# Altium PCB radxa_cm5_io_board_v2200.PcbDoc (part 3 of 8)
Units mil, origin at the board's own origin, x right, y up, seen from the top; angles counter-clockwise.
Board outline 6299.61 x 3544.09 mil, 4 copper layers (Top, GND, Power, Bottom), stack 35.4 mil thick; 482 components, 404 nets, 1857 pads, 2731 vias.
Unrouted connection lines stored in the file: 1872.
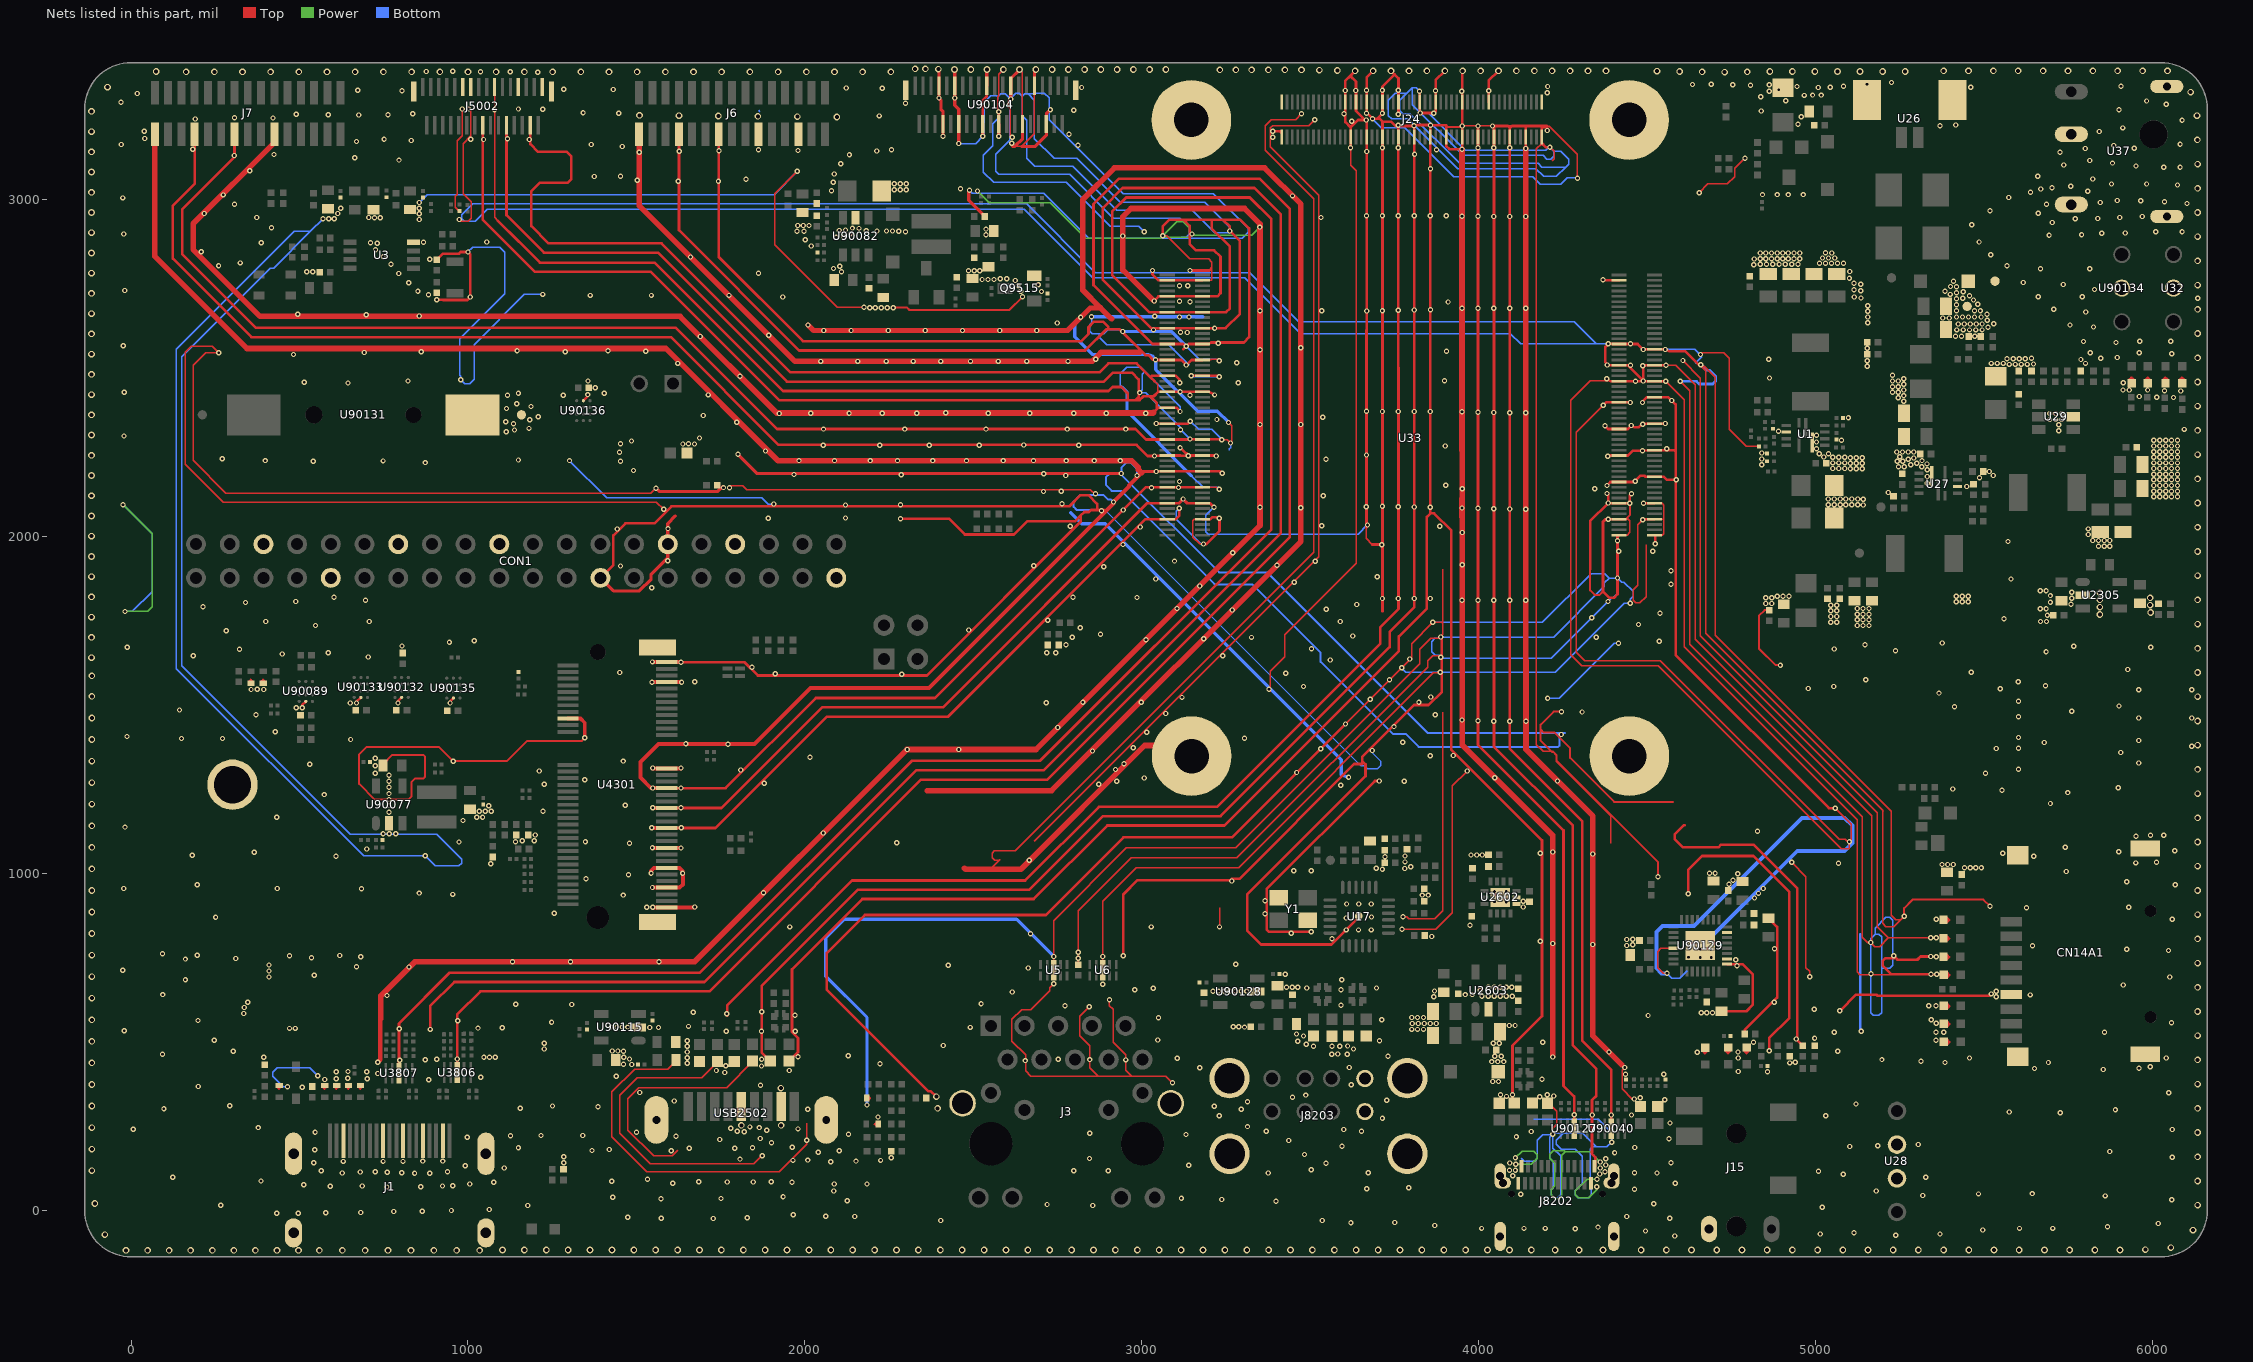
[diagram p4: the nets of this part, all layers, seen from the top]

## Via types
v1: diameter 15.75, hole 7.87, Top to Bottom, 2292 vias
v2: diameter 19.68, hole 11.81, Top to Bottom, 439 vias

## Nets (pads, with @x,y where several pads share a name; then routed paths per layer and width w, separated by ;. In a path a pad name is that pad's centre, name@x,y a point inside that pad or via, vN(x,y) a via of type N, cw(c..) or ccw(c..) an arc to the next point about the centre after c; other vN are vias at no path point) (continued)
GND: C1.2 C3.1 C4.2 C5.2 C34.2 C83.1 C84.2 C85.2 C87.2 C88.2 C89.2 C126.1 C127.1 C130.2 C131.2 C132.2 C133.2 C134.2 C135.2 C136.2 C137.2 C138.2 C139.2 C140.2 C141.2 C142.2 C143.2 C144.2 C146.2 C147.2 C149.2 C150.2 C151.1 C152.2 C153.2 C154.2 C155.2 C156.2 C265.2 C267.2 C268.2 C269.2 C548.2 C549.2 C558.2 C559.2 C561.2 C562.2 C563.2 C564.2 C565.2 C569.2 C570.2 C571.2 C572.2 C573.2 C574.2 C658.2 C750.1 C812.2 C813.2 C2282.2 C2283.2 C2284.2 C2330.2 C2332.2 C2335.2 C2606.2 C2607.2 C2608.2 C2609.2 C2611.2 C2612.2 C2613.2 C2614.2 C7320.2 C7322.2 C90084.2 C90399.2 C90408.2 C90409.2 C90410.2 C90431.2 C90448.2 C90478.2 C90479.2 C90480.2 C90482.2 C90483.2 C90484.2 C90485.2 C90486.2 C90487.2 C90488.2 C90490.2 C90582.1 C90615.2 C90616.2 C90617.2 C90618.1 C90750.2 C90751.2 C90772.2 C90773.2 C90774.2 C90775.2 C90776.2 C90777.2 C90778.2 C90779.2 C90780.2 C90781.2 C90782.1 C90783.1 C90784.1 C90787.1 C90788.1 C90789.2 C90790.2 CN14A1.6 CN14A1.10 CN14A1.11 CN14A1.12 CN14A1.13 CON1.6 CON1.9 CON1.14 CON1.20 CON1.25 CON1.30 CON1.34 CON1.39 D3.1 D4.1 D41.1 D47.1 D48.1 D49.1 D90031.2 D90032.2 D90033.2 D90034.2 D90035.2 D90037.2 ED1.2 ED2.2 ED3.2 ED5.2 ED6.2 ED9.2 ED10.2 ED11.2 ED12.2 ED13.2 ED14.2 ED15.2 ED20.2 ED21.2 ED22.2 ED2109.2 ED2110.2 ED2111.2 ED4806.2 ED7104.2 ED9203.2 ED9204.2 ED9205.2 ED9206.2 ESD2701.2 ESD2702.2 ESD2703.2 ESD2704.2 ESD2706.2 ESD27052.2 J1.2 J1.5 J1.8 J1.11 J1.17 J1.20 J1.21 J1.22 J1.23 J2.1 J3.19 J3.20 J6.3 J6.6 J6.9 J6.12 J6.15 J7.6 J7.9 J7.12 J7.15 J15.2 J24.1 J24.2 J24.7 J24.13 J24.19 J24.22 J24.25 J24.31 J24.32 J24.37 J24.42 J24.43 J24.48 J24.49 J24.55 J24.56 J24.61 J24.62 J24.67 J24.68 J24.72 J24.73 J24.76 J24.99 J24.100 J5002.1 J5002.4 J5002.7 J5002.10 J5002.13 J5002.16 J5002.19 J5002.21 J5002.32 J5002.33 J8202.A1 J8202.A12 J8202.B1 J8202.B12 J8202.E1 J8202.E2 J8202.E3 J8202.E4 J8202.E5 J8202.E6 J8203.4 J8203.8 J8203.9 J8203.10 J8203.11 J8203.12 P6.1 Q9515.2 R1.1 R7.1 R97.1 R102.2 R152.1 R154.1 R160.2 R161.2 R353.2 R2005.2 R2006.2 R2322.2 R2611.2 R2612.2 R5004.2 R7125.2 R7315.1 R90338.1 R91193.2 R95043.2 R95114.1 R95116.2 R95117.2 R95159.2 R95210.2 R95555.2 R95556.2 R95578.1 R95579.2 R95598.2 R95602.2 R95606.1 R95614.2 R95615.2 TP11.1 TP14.1 U1.2 U1.10 U3.4 U5.3 U5.8 U6.3 U6.8 U17.25 U26.3 U26.4 U27.2 U27.10 U28.2 U28.3 U29.2 U32.2 U33.1 U33.2 U33.7 U33.8 U33.13 U33.14 U33.22 U33.23 U33.32 U33.33 U33.42 U33.43 U33.52 U33.53 U33.59 U33.60 U33.65 U33.66 U33.71 U33.74 U33.98 U33.107 U33.108 U33.113 U33.114 U33.119 U33.120 U33.125 U33.126 U33.131 U33.132 U33.137 U33.138 U33.144 U33.150 U33.155 U33.156 U33.161 U33.162 U33.167 U33.168 U33.173 U33.174 U33.179 U33.180 U33.185 U33.186 U33.191 U33.192 U33.197 U33.198 U33.201 U33.202 U33.203 U33.204 U37.2 U37.3 U37.4 U37.5 U2305.2 U2602.8 U2602.9 U2602.15 U2603.2 U3806.3 U3806.8 U3807.3 U3807.8 U4301.1 U4301.7 U4301.18 U4301.33 U4301.39 U4301.45 U4301.51 U4301.57 U4301.63 U4301.69 U4301.75 U4301.76 U4301.77 U90040.3 U90040.8 U90077.2 U90082.2 U90089.D2 U90104.6 U90104.9 U90104.12 U90104.15 U90104.18 U90104.21 U90104.22 U90104.28 U90104.29 U90104.32 U90104.33 U90104.40 U90104.41 U90115.2 U90127.3 U90127.8 U90128.2 U90129.5 U90129.17 U90129.18 U90129.23 U90129.33 U90131.2 U90132.D2 U90133.D2 U90134.2 U90135.D2 U90136.D2 USB2502.4 USB2502.7 USB2502.10 USB2502.11 Y1.2 Y1.4 | length 218612.2
  Top w3.94: v1(974.41,2939.96) 980.31,2934.06 1000.79,2934.06 1009.84,2943.11 1009.84,2992.13 985.24,3016.73 985.24,3165.05 1008.78,3188.59 1008.78,3191.93 1008.78,3261.89 v1(1002.95,3267.72) ; C750.1@974.41,2964.57 966.54,2972.44 966.06,2972.44 962.6,2975.9 962.6,3008.85 968.51,3014.76 968.51,3174.22 983.35,3189.06 983.35,3252.59 983.27,3252.67 v1(983.27,3267.72) ; J5002.13@1078.74,3332.68 1078.74,2945.86 1088.58,2936.02 ; v1(1557.85,2142.26) 1542.56,2126.97 281.8,2126.97 184.06,2224.72 184.06,2506.89 221.93,2544.76 v1(259.97,2544.76) 241.74,2562.99 178.23,2562.99 160.43,2545.19 160.43,2214.26 273.31,2101.38 1559.06,2101.38 v1(1580.71,2079.72) ; C2283.2@1617.13,445.87 1617.13,441.93 1593.5,418.31 1494.77,418.31 1427.17,350.7 1427.17,218.2 1531.19,114.17 1923.54,114.17 2004.92,195.56 2004.92,257.87 ; 1622.05,177.17 1606.3,161.42 1550.76,161.42 1474.41,237.76 1474.41,331.13 1506.47,363.19 1767.66,363.19 1845.74,441.27 1844.49,441.27 D90037.2@1844.49,442.52 ; D90033.2@1740.16,441.54 1740.16,440.29 1741.41,440.29 1693.84,392.72 1502.59,392.72 1450.79,340.92 1450.79,227.98 1540.97,137.8 1847.44,137.8 v1@1875.98,166.34 ; v1(1775.99,2143.51) 1778.54,2149.61 1815.88,2149.61 1826.9,2138.58 2846.65,2138.58 2860.73,2124.51 v1(2862.2,2125.98) ; v1(1977.36,3082.68) 1910.43,3015.75 1910.43,2865.02 2096.32,2679.13 v1(2175.2,2679.13) ; 2473.47,1014.89 2552.74,1014.89 2578.42,1040.57 2578.42,1041.54 ; 2574.61,1038.39 2563.19,1038.39 2555.12,1046.46 2555.12,1059.37 2561.85,1066.1 2623.36,1066.1 3509.25,1952 3509.25,3000.93 3365.16,3145.02 3365.16,3218.14 3383.24,3236.22 3455.71,3236.22 v1(3473.43,3253.94) ; v1(2574.8,3259.84) 2571.85,3269.68 2571.85,3304.13 2574.8,3307.09 2574.8,3371.06 v2(2588.58,3384.84) ; v1(2610.24,3297.24) 2603.35,3290.35 2603.35,3274.61 2609.33,3268.62 2609.33,3183.13 2609.25,3182.99 2613.29,3180.73 v1(2615.16,3184.06) ; 2623.03,3156.5 2642.71,3156.5 2681.1,3194.89 U90104.9@2681.1,3336.61 ; v2(2636.81,3384.84) 2644.76,3376.09 2644.76,3302.25 2644.69,3302.17 2644.69,3224.42 U90104.12@2645.67,3223.43 ; 2680.13,1094.19 3525,1939.06 3525,3011.81 3380.91,3155.91 3380.91,3211.61 3387.8,3218.5 3495.08,3218.5 v1(3512.8,3236.22) ; v1(2738.19,672.24) 2725.85,659.91 2725.85,650.74 2670.58,595.47 2642.72,595.47 2613.19,565.94 2613.19,501.97 2654.53,460.63 2654.53,413.39 2670.28,397.64 2870.08,397.64 ; U5.8@2738.4,727.62 2738.4,859.25 2953.95,1074.8 3277.85,1074.8 3824.32,1621.28 3824.32,1665 3857.22,1697.9 3884.71,1697.9 3886.81,1700 v1(3886.81,1700.79) 3885.33,1702.26 3892.72,1709.65 3892.72,1741.14 ; C3.1@2811.23,728.11 2811.23,888.78 2967.73,1045.28 3281.73,1045.28 3847.94,1611.49 3847.94,1630.06 3863.55,1645.67 3881.89,1645.67 v1(3886.81,1640.75) ; v1(2843.5,603.35) 2815.49,575.33 2815.49,517.44 2845.47,487.45 2845.47,422.24 2870.08,397.64 ; U6.8@2884.07,727.62 2884.07,917.36 2983.44,1016.73 3286.59,1016.73 3864.35,1594.49 3882.87,1594.49 v1(3884.84,1596.46) ; v1(2903.54,624.02) 2903.54,606.45 2914.37,595.63 2914.37,499.02 2951.77,461.61 2951.77,415.35 2969.49,397.64 ; 3037.15,2460.04 3046.26,2450.93 3046.26,2432.09 3049.8,2428.54 ; v1(3062.01,2891.73) 3073.32,2891.73 3142.21,2822.83 3197.52,2822.83 3207.48,2812.88 3207.48,2796.46 ; v1(3090.55,377.95) 3070.87,397.64 2969.49,397.64 ; v1(3142.72,2288.39) 3179.13,2288.39 U33.137@3179.13,2286.81 3252.56,2286.81 v1(3262.8,2276.57) 3266.73,2280.51 3266.73,2327.76 v1(3256.89,2337.6) ; U33.107@3179.13,2050.59 3155.51,2050.59 3150.79,2045.87 3150.79,1996.96 3170.81,1976.94 v1(3182.48,1976.94) ; U33.119@3179.13,2145.08 3179.13,2144.68 3220.33,2144.68 v1(3229.33,2139.76) ; U33.167@3179.13,2523.03 3203.58,2523.03 3206.14,2525.59 3224.41,2525.59 v1(3229.33,2520.67) ; U33.197@3179.13,2759.25 3205.71,2759.25 3207.48,2761.02 3207.48,2792.52 3205.71,2794.29 ; v1(3230.31,840.55) 3230.31,896.91 ; 3380.18,1538.52 3380.18,1599.53 3423.23,1642.58 3423.23,1707.68 3635.83,1920.28 3635.83,3084.65 3619.09,3101.38 v1(3619.09,3152.56) ; v1(3604.05,1442.82) 3800.7,1639.46 3800.7,1681.6 v1(3863.37,1744.28) ; v1@3666.34,2026.57 3665.35,2025.59 3665.35,1993.48 3683.44,1975.39 ; v1(3771.65,833.66) 3872.06,833.66 3921.26,882.86 3921.26,1258.86 v1(3965.55,1303.15) ; v1(3774.61,871.06) 3786.42,871.06 3792.33,865.16 3869.48,865.16 3892.72,888.4 3892.72,1477.36 ; v1(3823.82,3320.87) 3823.82,3320.08 v1@3824.21,3320.08 ; v1@3869.82,1744.09 3889.76,1744.09 3892.72,1741.14 ; 3892.72,1901.57 3892.72,1741.14 ; v1(3950.79,3217.52) v1(4040.35,3217.52) ; 4085.43,3217.52 4098.43,3217.52 ; ESD2703.2@4203.74,317.32 4207.34,317.32 4231.3,293.36 4231.3,254.3 4219.49,242.49 v1(4219.49,225.39) ; v1(4210.63,3154.53) 4223.43,3141.73 4223.43,3119.68 4217.72,3113.98 ; v1(4292.32,3062.01) 4292.32,3133.18 4209.36,3216.14 4186.42,3216.14 4186.42,3213.58 4186.42,3165.35 4170.67,3149.61 4170.67,1380.91 4190.35,1361.22 4215,1361.22 4218.5,1361.22 4229.49,1350.24 4229.49,1332.83 4391.73,1170.58 4391.73,1088.58 ; 4383.45,2397.05 4377.95,2397.05 4288.78,2307.87 4288.78,1655.51 4313.39,1630.91 4538.33,1630.91 5068.84,1100.39 5086.42,1100.39 v1@5095.27,1091.54 ; U33.2@4415.75,2003.35 4439.96,2003.35 4447.83,2011.22 4447.83,2045.28 4442.52,2050.59 U33.8@4415.75,2050.59 ; U33.60@4415.75,2460.04 4415.75,2460.63 4330.12,2460.63 4273.03,2403.54 4273.03,1647.64 4305.51,1615.16 4531.8,1615.16 5075.11,1071.85 5098.43,1071.85 5098.43,1088.38 v1@5095.27,1091.54 ; v1(4433.07,423.23) 4425.2,415.35 4425.2,359.76 4455.23,329.72 v1(4460.63,329.72) ; v1(4486.22,2049.21) 4471.46,2034.45 4471.46,1854.42 4457.68,1840.64 4457.68,1810.24 4465.75,1802.17 4477.16,1802.17 4496.06,1821.06 4496.06,1974.41 ; U33.1@4520.47,2003.35 4544.29,2003.35 4548.82,2007.87 4548.82,2051.18 ; U33.7@4520.47,2050.59 4548.23,2050.59 4548.82,2051.18 ; U33.13@4520.47,2097.83 4543.5,2097.83 4548.82,2092.52 4548.82,2051.18 ; v1(4554.13,2459.65) 4609.25,2404.53 4609.25,1671.37 5122.05,1158.58 5122.05,707 5130.23,698.82 ED12.2@5379.53,698.82 ; v1(4555.12,2506.89) 4584.65,2506.89 4641.73,2449.8 4641.73,1693.9 5165.35,1170.28 5165.35,797.24 v1(5162.4,794.29) ; v1(4558.07,702.76) 4547.44,702.76 4530.51,719.69 4530.51,767.52 4540.18,777.19 U90129.5@4576.96,777.19 ; v1(4597.44,2459.65) 4625,2432.09 4625,1680.12 5137.8,1167.32 5137.8,810.24 5153.74,794.29 v1(5162.4,794.29) ; v1(4605.31,2521.65) 4657.48,2469.49 4657.48,1704.23 5182.09,1179.63 5182.09,841.23 5215.24,808.07 ; v1(4653.54,3019.68) 4679.13,3045.28 4737.2,3045.28 4758.86,3066.93 4758.86,3092.01 4772.62,3105.77 4773.09,3105.77 v1(4789.37,3122.05) ; v1@4656.5,2507.87 4673.23,2491.14 4673.23,1711.92 5199.8,1185.35 5197.83,1183.38 5197.83,851.58 5207.88,841.54 5231.3,841.54 5251.97,862.2 ; v1(4657.48,2539.37) 4662.4,2544.29 4726.38,2544.29 4742.72,2527.95 4742.72,2316.78 4792.76,2266.73 R95116.2@4830.71,2266.73 ; v1(4658.46,2508.86) 4662.4,2504.92 4669.29,2504.92 4701.77,2472.44 4701.77,1705.71 5223.43,1184.06 5223.43,875.2 5236.42,862.2 5251.97,862.2 ; v1(4928.15,1032.48) 4970.47,990.16 4970.47,719.83 4981.3,709 v1(4981.3,692.91) ; v1(5057.09,1192.91) 5104.33,1145.67 5104.33,1100.59 v1@5095.27,1091.54 ; v1(5261.81,872.05) 5251.97,862.2 ; v1(5340.55,808.07) 5215.24,808.07 ; ED14.2@5368.13,817.5 ED14.2@5378.54,807.09 ; 2870.08,397.64 2969.49,397.64 ; v1(5162.4,794.29) 5175.04,781.65 5188.82,781.65 5215.24,808.07
  Top w5.91: C265.2@747.99,1319.87 747.99,1323.81 775.56,1351.38 866.69,1351.38 873.03,1345.04 873.03,1286.85 866.69,1280.51 842.52,1280.51 831.69,1269.68 831.69,1227.36 822.83,1218.5 v1(765.75,1218.5) 723.41,1218.5 677.13,1264.79 677.13,1352.87 699.45,1375.2 912.99,1375.2 v1(955.91,1332.28) 1114.76,1332.28 1175.2,1392.72 1337.6,1392.72 v1(1346.46,1401.57) ; v1(2261.81,2678.15) 2303.28,2678.15 2310.17,2671.26 2606.3,2671.26 v1(2645.67,2710.63) ; 3902.95,3219.49 3907.87,3214.57 3950.79,3214.57 v1(3950.79,3217.52) ; v1(4245.08,1479.33) 4221.42,1479.33 4183.07,1440.99 4183.07,1427.12 ; 4330.12,1901.57 4329.72,1901.18 4329.72,1839.57 4343.5,1825.79 4357.9,1825.79 4368.11,1836 ; U33.8@4415.75,2050.59 4415.75,2049.66 4435.19,2049.66 4447.83,2062.3 v1(4447.83,2097.44) ; v1(4531.5,989.17) 4531.5,1032.21 4230.31,1333.39 4230.31,1350.6 4221.67,1359.25 4216.97,1359.25 4215,1361.22 4183.07,1393.15 4183.07,1427.12 ; 4575.79,1211.61 4401.03,1211.61 4270.67,1341.97 4270.67,1371.06 4224.41,1417.32 4192.87,1417.32 4183.07,1427.12 ; C131.2@4861.22,1780.51 4847.88,1780.51 4830.71,1763.34 4830.71,1666.73 4880.31,1617.13 v1(4894.69,1617.13) ; v1(5261.81,872.05) 5261.81,896.39 5286.69,921.26 5497.05,921.26 v1(5516.73,901.57)
  Top w7.87: J7.12@188.98,3192.91 188.98,3045.86 124.02,2980.9 124.02,2823.82 357.28,2590.55 1602.36,2590.55 1921.85,2271.06 2984.25,2271.06 3017.13,2238.19 v1(3037.4,2238.19) 3056.69,2239.57 U33.132@3075.2,2239.57 3113.58,2239.57 3113.98,2239.17 v1(3137.8,2239.17) ; J7.9@307.09,3192.91 307.09,3125 151.57,2969.49 151.57,2837.6 370.08,2619.09 1616.14,2619.09 1916.93,2318.31 2980.91,2318.31 3012.4,2286.81 U33.138@3075.2,2286.81 3141.14,2286.81 v1(3142.72,2288.39) 3160.63,2286.81 U33.137@3179.13,2286.81 3179.72,2287.4 3236.22,2287.4 v1(3237.2,2286.42) ; v1(507.87,1491.14) 507.87,1499.01 U90089.D2@518.71,1509.84 ; v1(669.29,1504.92) 669.29,1508.85 U90133.D2@682.09,1521.65 ; v1(792.32,1504.92) 792.32,1510.82 U90132.D2@803.15,1521.65 ; U3807.3@795.28,421.76 795.28,554.13 945.87,704.72 1687.99,704.72 2316.93,1333.66 2697.37,1333.66 3383.86,2020.15 3383.86,2940.94 3319.88,3004.92 2953.4,3004.92 2911.42,2962.94 2911.42,2774.61 3021.26,2664.76 U33.186@3075.2,2664.76 U33.185@3179.13,2664.76 3249.41,2664.76 3260.83,2676.18 3260.83,2859.25 3206.69,2913.39 3206.69,2938.98 ; v1(887.8,536.42) 887.8,605.31 959.65,677.17 1701.77,677.17 2329.72,1305.12 2707.88,1305.12 3411.42,2008.65 3411.42,2955.71 3333.66,3033.46 2942.97,3033.46 2883.86,2974.36 2883.86,2760.83 3027.17,2617.52 ; v1(907.48,2701.77) 925.53,2701.77 926.52,2700.79 998.03,2700.79 v1(1006.89,2709.65) 1006.89,2836.61 v1(1000,2843.5) 978.5,2843.5 973.58,2838.58 925.2,2838.58 C90616.2@907.48,2820.87 ; v1(946.85,1504.92) 946.85,1509.83 U90135.D2@956.7,1519.68 ; U3806.8@968.5,423.72 968.5,581.69 1036.42,649.61 1716.54,649.61 2344.49,1277.56 2719.32,1277.56 3438.98,1997.21 3438.98,2970.47 3348.43,3061.02 2931.55,3061.02 2856.3,2985.77 2856.3,2745.08 3031.1,2570.28 U33.174@3075.2,2570.28 3121.49,2570.28 v1(3131.89,2563.98) ; J5002.16@1043.3,3219.5 1043.3,2939.96 1198.81,2784.45 1542.54,2784.45 1923.45,2403.54 2957.68,2403.54 ; 1088.58,2936.02 1150.59,2874.02 1151.57,2874.02 1213.58,2812.01 1553.96,2812.01 1934.86,2431.1 2900.59,2431.1 2912.4,2442.91 2938.98,2442.91 2957.68,2424.21 2957.68,2403.54 ; J5002.10@1114.17,3219.5 1114.17,2952.76 1225.39,2841.54 1563.4,2841.54 1946.28,2458.66 2886.81,2458.66 2913.39,2485.24 2970.11,2485.24 2990.16,2465.18 2990.16,2412.4 2981.3,2403.54 ; v1(1182.09,3177.17) v1@1185.04,3177.17 ; J5002.4@1185.04,3219.5 v1@1185.04,3177.17 ; U90136.D2@1342.27,2402.14 1355.31,2415.19 v1(1355.31,2420.28) ; CON1.25@1392.94,1876.36 1431.5,1914.92 1431.5,2002.76 1466.93,2038.19 1552.83,2038.19 1603.22,2088.58 2784.25,2088.58 2817.32,2121.65 2840.94,2121.65 2867.13,2095.47 2867.13,2077.76 ; U4301.51@1589.78,1134.21 1734.61,1134.21 2064.96,1464.57 2425.2,1464.57 3011.22,2050.59 U33.108@3075.2,2050.59 3100.39,2050.59 3110.24,2060.43 v1(3110.24,2082.68) ; U4301.45@1589.78,1193.27 1751.97,1193.27 2050.83,1492.13 2409.06,1492.13 3014.76,2097.83 U33.114@3075.2,2097.83 3109.65,2097.83 v1(3122.05,2110.24) 3134.45,2097.83 U33.113@3179.13,2097.83 3201.38,2097.83 v1(3213.58,2085.63) ; U4301.39@1589.78,1252.32 1764.76,1252.32 2032.13,1519.68 2385.83,1519.68 3011.22,2145.08 U33.120@3075.2,2145.08 3093.7,2145.08 v1(3108.27,2144.68) 3108.66,2145.08 U33.119@3179.13,2145.08 ; J6.12@1625.98,3192.91 1625.98,2908.13 1982.93,2551.18 2831.55,2551.18 2894.55,2614.17 2899.61,2614.17 ; v1(1631.89,1625.98) 1820.87,1625.98 1860.24,1586.61 2362.06,1586.61 2818.34,2042.88 2818.34,2061.08 ; J6.9@1744.09,3192.91 1744.09,2828.99 1994.34,2578.74 2820.14,2578.74 2841.54,2600.14 2841.54,2620.08 2858.27,2636.81 2884.48,2636.81 2899.61,2621.68 2899.61,2614.17 ; v1@1769.69,576.77 1769.69,608.27 2139.76,978.35 2653.51,978.35 2872.22,1197.05 3222.17,1197.05 3707.36,1682.24 3707.36,1730 3761.22,1783.86 3761.22,2500.07 3760.83,2500.46 v1@3760.83,3217.52 ; D90032.2@1896.65,442.52 1872.13,467.04 1872.13,666.34 2156.58,950.79 2665.1,950.79 2883.73,1169.41 3233.5,1169.41 3734.92,1670.83 3734.92,1716.22 3808.46,1789.76 3808.46,3216.14 v1@3808.07,3216.54 ; D90031.2@1952.76,442.52 1979.33,469.09 1979.33,510.83 1961.61,528.54 1961.61,714.57 2170.28,923.23 2678.84,923.23 2897.34,1141.73 3244.8,1141.73 3762.48,1659.41 3762.48,1702.44 3845.49,1785.45 3845.49,2057.7 3855.71,2067.91 ; v1(2283.46,2052.17) 2427.17,2052.17 2474.41,2004.92 2620.08,2004.92 2659.45,2044.29 2801.55,2044.29 2818.34,2061.08 ; v2(2389.76,336.61) 2373.08,353.3 2365.43,353.3 2064.96,653.77 2064.96,763.24 2177.7,875.98 2714.64,875.98 2944.95,1106.3 3267.53,1106.3 v1(3604.05,1442.82) ; U90104.22@2527.56,3223.43 2527.56,3292.87 2539.37,3304.68 U90104.21@2539.37,3336.61 ; U90104.18@2574.8,3223.43 v1(2574.8,3259.84) ; 2891.73,2073.37 2887.35,2077.76 2867.13,2077.76 ; v1(2944.49,755.12) 2944.49,936.61 2987.05,979.17 3260.78,979.17 v1@3264.73,975.23 ; 2999.02,2187.99 2999.02,2191.93 v1(3042.32,2191.93) 3056.69,2192.32 U33.126@3075.2,2192.32 U33.125@3179.13,2192.32 3230.91,2192.32 3233.27,2189.96 v1(3238.19,2187.01) ; v1@3031.5,2790.75 v1(3031.5,2788.39) 3031.5,2776.57 3048.82,2759.25 U33.198@3075.2,2759.25 U33.197@3179.13,2759.25 ; 3034.45,2367.13 3044.29,2376.97 ; v1(3034.45,2612.2) 3032.48,2612.2 3027.17,2617.52 ; v1(3036.42,2697.83) 3035.53,2698.72 3048.82,2712.01 U33.192@3075.2,2712.01 U33.191@3179.13,2712.01 3223.82,2712.01 3233.27,2721.46 3233.27,2829.36 3214.2,2848.43 3160.43,2848.43 3141.73,2867.13 3141.73,2921.26 3124.02,2938.98 ; 3037.15,2460.04 3025.59,2471.6 ; v1(3042.32,2334.65) 3056.69,2334.06 U33.144@3075.2,2334.06 3136.22,2334.06 v1(3143.7,2341.54) ; v1(3062.01,2891.73) 3062.01,2920.14 3080.85,2938.98 3124.02,2938.98 ; v1(3112.2,2455.71) 3112.2,2463.98 3100.39,2475.79 U33.162@3075.2,2475.79 3029.78,2475.79 3025.59,2471.6 ; v1(3113.19,2262.8) 3130.65,2245.33 3133.6,2245.33 v1@3142.72,2236.22 ; v1(3113.19,2370.08) 3101.97,2381.3 U33.150@3075.2,2381.3 3048.62,2381.3 3044.29,2376.97 ; 3122.44,2554.53 v1(3131.89,2563.98) ; v1@3131.89,2507.28 v1(3131.89,2507.87) ; v1@3132.48,2507.28 v1(3131.89,2507.87) ; v1@3141.73,2235.24 v1(3137.8,2239.17) ; v1(3142.72,2788.39) 3199.8,2788.39 3205.71,2794.29 ; v1(3146.65,2476.38) 3150.12,2475.79 U33.161@3179.13,2475.79 3229.33,2475.79 v1(3229.33,2473.43) ; U33.107@3179.13,2050.59 3202.93,2050.59 3208.44,2056.1 3229.33,2056.1 v1(3229.33,2053.15) 3230.31,2053.15 3230.31,2015.96 3191.3,1976.94 v1(3182.48,1976.94) ; U33.167@3179.13,2523.03 3147.05,2523.03 v1(3131.89,2507.87) ; v1(3215.55,2419.29) 3197.64,2428.54 U33.155@3179.13,2428.54 3113.78,2428.54 v1(3113.19,2429.13) 3093.7,2428.54 U33.156@3075.2,2428.54 3049.8,2428.54 3048.23,2428.54 3035.04,2415.35 3024.24,2415.35 ; v1(3220.47,2238.19) 3220.47,2239.57 U33.131@3179.13,2239.57 3137.8,2239.57 v1(3137.8,2239.17) ; v1(3266.2,976.86) 3266.2,983.27 3289.37,983.27 3629.92,1323.82 3652.56,1323.82 3653.54,1324.8 3653.54,1332.68 ; v1(3387.8,3201.77) 3409.45,3201.77 J24.99@3413.39,3197.83 ; v1(3501.97,825.79) 3377.67,825.79 3370.09,833.37 3370.09,952.77 3690.94,1273.62 v1(3703.74,1273.62) ; v1(3619.09,3152.56) 3619.49,3166.14 J24.73@3619.49,3184.65 3619.49,3213.58 ; v2@3635.24,3378.54 v2(3632.87,3380.91) 3618.11,3366.14 ; U17.25@3643.25,872.81 3644.87,871.36 3561.9,788.39 3353.21,788.39 3312.01,829.58 3312.01,936.52 3663.39,1287.89 3663.39,1322.83 3653.54,1332.68 ; v1@3666.34,2026.57 3666.34,2611.42 3666.73,2611.81 3666.73,3235.24 v1(3665.35,3235.24) v1@3662.2,3235.24 ; 3683.44,1975.39 v1@3713.98,1975.39 ; v2(3686.02,3380.91) 3666.73,3361.61 J24.68@3666.73,3288.58 3666.73,3257.48 3684.06,3240.16 v1(3684.06,3239.17) 3698.82,3239.17 ; v1(3711.61,1974.41) v1@3713.98,1975.39 ; 3713.98,1777.19 v1@3713.98,1975.39 ; v2(3739.17,3380.91) 3750,3370.08 ; v1(3760.83,3219.49) v1@3760.83,3217.52 ; v1(3760.83,3251.97) 3761.22,3252.36 3761.22,3358.86 3750,3370.08 ; v1(3807.09,3218.5) v1@3808.07,3216.54 ; v1@3824.21,3320.08 3824.21,3320.87 v1(3823.82,3320.87) 3824.21,3318.9 J24.48@3824.21,3288.58 3824.21,3259.23 v1(3825.79,3255.91) 3865.55,3255.91 3871.46,3261.81 J24.42@3871.46,3288.58 3871.46,3353.74 v2(3898.62,3380.91) ; v1(3886.81,1700.79) 3889.76,1697.83 3889.76,1538.39 3850.39,1499.02 3807.31,1499.02 3653.54,1345.25 3653.54,1332.68 ; J24.37@3902.95,3182.68 3902.95,3219.49 v1(3856.3,3219.49) v1@3855.71,3220.08 ; J24.37@3902.95,3184.65 3902.95,3158.46 3912.8,3148.62 v1(3949.8,3148.62) 3950.2,3149.02 J24.31@3950.2,3184.65 ; J24.31@3950.2,3184.45 3950.2,3208.66 ; v1(3950.79,3217.52) 3950.2,3218.11 J24.32@3950.2,3288.58 3950.2,3379.33 v2(3951.77,3380.91) ; v1(3997.05,3217.52) 3997.44,3217.13 3997.44,1380.91 4250.98,1127.36 4250.98,369.09 4282.49,337.59 U90127.8@4282.49,257.37 ; J24.22@4028.94,3288.58 4028.94,3351.77 v2(4058.07,3380.91) ; ESD2706.2@4104.57,317.65 4099.41,322.81 4099.41,487.99 4187.2,575.79 4187.2,1097.24 3918.31,1366.14 3918.31,2016.37 3866.76,2067.91 3855.71,2067.91 ; v1(4138.78,3150.59) 4139.17,3150.98 J24.7@4139.17,3184.65 4139.17,3217.52 ; v1(4202.76,3203.74) 4202.76,3213.58 ; v1(4210.63,3154.53) 4198.03,3154.53 4186.42,3166.14 J24.1@4186.42,3184.65 4186.42,3213.58 4202.76,3213.58 ; 4330.12,1901.57 4330.12,2044.68 v1(4383.86,2098.43) ; J8202.A12@4343.06,130.51 4344.69,130.51 4344.69,158.26 4335.63,167.32 4335.63,326.77 4348.43,339.57 4348.43,419.29 4278.54,489.17 4278.54,1141.14 4044.69,1375 4044.69,3213.19 v1(4040.35,3217.52) 4085.43,3217.52 4091.93,3211.02 ; v1(4368.11,2760.83) 4369.09,2759.84 4387.67,2759.84 4388.26,2759.25 U33.98@4415.75,2759.25 ; v1(4369.09,2388.78) 4377.45,2397.13 4383.37,2397.13 4383.45,2397.05 U33.52@4415.75,2397.05 4434.25,2397.05 v1(4448.82,2396.65) ; v1(4374.02,2327.76) 4383.46,2318.31 U33.42@4415.75,2318.31 4442.13,2318.31 4452.17,2328.35 v1(4451.77,2328.74) 4460.63,2323.82 4474.44,2323.82 4484.76,2334.14 v1(4486.22,2332.68) 4487.86,2334.06 U33.43@4520.47,2334.06 4549.64,2334.06 v1(4553.15,2334.65) ; v1(4378.94,2467.52) 4383.49,2462.97 4390.75,2460.04 U33.60@4415.75,2460.04 4443.72,2460.04 4444.12,2459.65 4487.2,2459.65 v1(4487.2,2460.63) ; v1(4379.92,2150.59) 4390.16,2160.83 U33.22@4415.75,2160.83 4463.58,2160.83 v1(4463.58,2163.39) 4463.11,2163.86 4478.38,2179.13 4491.54,2179.13 4494.09,2176.57 U33.23@4520.47,2176.57 4548.23,2176.57 4557.48,2167.32 v1(4585.63,2167.32) ; v1(4381.89,2237.2) 4389.39,2239.57 U33.32@4415.75,2239.57 4442.32,2239.57 4456.69,2253.94 v1(4485.24,2253.94) 4501.97,2255.31 U33.33@4520.47,2255.31 4580.31,2255.31 4583.66,2251.97 ; v1(4383.86,2050.2) 4368.11,2043.67 4368.11,2043.31 ; v1@4383.86,2127.95 v1(4383.86,2098.43) ; U90040.8@4393.1,257.38 4393.1,415.95 4306.1,502.95 4306.1,1154.53 4091.54,1369.09 v1(4091.54,3152.56) 4091.93,3152.95 J24.13@4091.93,3184.65 4091.93,3211.02 ; U33.2@4415.75,2003.35 4411.42,1999.02 v1(4411.42,1986.22) 4411.42,1828.12 4400.22,1816.93 4387.18,1816.93 4368.11,1836 4368.11,2043.31 ; U33.8@4415.75,2050.59 4375.39,2050.59 4368.11,2043.31 ; v1(4447.83,2097.44) 4434.25,2097.83 U33.14@4415.75,2097.83 4397.24,2097.83 v1(4383.86,2098.43) ; v1@4447.83,2099.41 4447.83,2121.06 v1(4452.76,2125.98) ; v1(4485.24,2396.65) 4485.24,2399.32 4498.71,2412.8 U33.53@4520.47,2412.8 4561.61,2412.8 v1(4571.85,2402.56) 4583.66,2390.75 4583.66,2251.97 ; v1(4486.22,2049.21) 4486.22,2050.59 U33.7@4520.47,2050.59 ; v1(4488.19,2097.44) 4501.97,2097.83 U33.13@4520.47,2097.83 ; U33.1@4520.47,2003.35 4523.62,2003.35 v1(4523.62,1977.36) ; v1(4554.13,2459.65) 4554.13,2460.04 U33.59@4520.47,2460.04 4501.97,2460.04 v1(4487.2,2460.63) ; v1(4555.12,2506.89) 4538.98,2507.28 U33.65@4520.47,2507.28 4493.5,2507.28 4487.2,2500.98 v1@4487.2,2462.2 ; 4610.24,1142.72 4608.63,1142.72 4580.71,1114.79 4580.71,1101.74 4605.68,1076.77 4711.12,1076.77 4719,1084.65 4814.87,1084.65 4944.88,954.64 4944.88,503.94 R7315.1@4960.63,488.19 ; v1(4621.06,938.98) 4621.06,1009.81 4662.43,1051.18 4814.93,1051.18 4921.26,944.85 4921.26,570.9 4861.22,510.86 v1(4861.22,473.43) ; v1(4658.46,2508.86) 4657.48,2508.86 4656.5,2507.87 4653.32,2507.87 4611.98,2549.21 4564.93,2549.21 v1(4553.15,2554.13) 4553.15,2554.53 U33.71@4520.47,2554.53 4501.97,2554.53 v1(4487.2,2554.13) 4471.06,2570.28 U33.74@4415.75,2570.28 4397.24,2570.28 v1(4383.86,2570.87) 4375,2562.01 4375,2515.75 4383.46,2507.28 U33.66@4415.75,2507.28 4442.13,2507.28 v1@4487.2,2462.2 ; C569.2@4719.67,590.18 4793.25,590.18 4812.99,609.93 4812.99,699.13 4782.17,729.95 U90129.17@4736.4,729.95 ; C561.2@4788.39,522.64 4788.39,534.45 4884.84,630.91 4884.84,840.55 C565.2@4859.25,866.14 ; v1(5057.09,1192.91) 5038.39,1192.91 4583.66,1647.64 4583.66,2251.97 ; v1(5070.87,591.54) 5119.09,639.76 5179.37,639.76 5183.31,635.83 5514.76,635.83 v1(5520.67,641.73) ; v1(5340.55,752.95) 5310.6,752.95 5300.76,743.11 5242.36,743.11 5237.44,748.03 5207.06,748.03 5197.83,738.81 5197.83,725.76 5223.79,699.8 v1(5341.54,699.8) ; v1@1185.04,3177.17 1185.04,3163.92 1208.21,3140.75 1293.31,3140.75 1306.1,3127.95 1306.1,3059.06 1296.26,3049.21 1213.44,3049.21 1187.99,3023.76 1187.99,2920.27 1239.17,2869.09 1574.82,2869.09 1957.69,2486.22 2873.88,2486.22 2900.45,2512.8 2984.39,2512.8 3025.59,2471.6 ; 2818.34,2061.08 2829.11,2071.85 2842.89,2071.85 2848.79,2077.76 2867.13,2077.76 ; 2899.61,2614.17 2933.8,2614.17 3010.57,2537.4 3019.32,2537.4 3033.1,2523.62 v1(3040.35,2523.62) 3040.85,2524.11 3041.93,2523.03 U33.168@3075.2,2523.03 3116.73,2523.03 v1(3131.89,2507.87) ; 2957.68,2403.54 2981.3,2403.54 ; 2981.3,2403.54 2992.96,2403.54 3004.77,2415.35 3024.24,2415.35 ; 3024.24,2415.35 3044.29,2395.3 3044.29,2376.97 ; 3027.17,2617.52 U33.180@3075.2,2617.52 U33.179@3179.13,2617.52 3248.43,2617.52 3290.35,2659.45 3290.35,2875.98 v1(3260.83,2905.51) 3260.83,2918.92 3240.78,2938.98 ; 3124.02,2938.98 3206.69,2938.98 ; v1(3131.89,2563.98) 3138.19,2570.28 U33.173@3179.13,2570.28 3197.64,2570.28 3205.71,2574.8 3302.17,2574.8 3317.91,2590.55 3317.91,2913.02 3291.96,2938.98 3240.78,2938.98 ; 3206.69,2938.98 3240.78,2938.98 ; 3618.11,3366.14 3635.24,3349.02 J24.72@3635.24,3288.58 3635.24,3262.2 v1@3662.2,3235.24 ; 3618.11,3366.14 3603.74,3351.77 J24.76@3603.74,3288.58 3603.74,3229.33 3619.49,3213.58 ; 3619.49,3213.58 3641.14,3235.24 v1@3662.2,3235.24 ; 3698.82,3239.17 3705.12,3239.17 3713.98,3230.31 ; 3698.82,3239.17 3713.98,3254.33 J24.62@3713.98,3288.58 3713.98,3334.06 3750,3370.08 ; v1@3713.98,1975.39 3713.98,3230.31 ; 3713.98,3230.31 3739.42,3230.31 3752.22,3217.52 v1@3760.83,3217.52 ; v1@3760.83,3217.52 3807.09,3217.52 v1@3808.07,3216.54 ; v1@3808.07,3216.54 3812.01,3220.47 3855.31,3220.47 v1@3855.71,3220.08 ; 3855.71,2067.91 v1@3855.71,3220.08 ; 4091.93,3211.02 4098.43,3217.52 4139.17,3217.52 ; 4139.17,3217.52 4200.79,3217.52 4202.76,3215.55 4202.76,3213.58 ; v1(4487.2,2460.63) v1@4487.2,2462.2
  Top w9.84: CON1.25@1392.94,1876.36 1431.7,1837.6 1508.46,1837.6 1543.31,1872.44 1543.31,1886.65 1592.94,1936.28 CON1.30@1592.94,1976.36 1592.94,2037.27 1615.71,2060.04 ; v1(1557.85,2142.26) 1567.24,2132.87 1741.77,2132.87 1755.8,2146.9 v1(1758.41,2144.29) ; v1(1801.18,2243.11) 1858.27,2186.02 v1(2938.98,2186.02) ; v2(2395.67,3385.83) 2397.61,3385.83 U90104.33@2397.64,3336.61 ; U90104.33@2397.64,3336.61 v1(2397.64,3300.2) 2403.54,3294.29 2403.54,3266.56 2409.45,3260.65 U90104.32@2409.45,3223.43 v1(2409.45,3187.01) ; v2(2443.9,3384.84) 2444.87,3384.84 U90104.29@2444.88,3336.61 ; U90104.29@2444.88,3336.61 v1(2444.88,3300.2) 2444.88,3278.44 2456.69,3266.63 U90104.28@2456.69,3223.43 v1(2456.69,3165.35) ; v1(2488.19,3026.57) 2487.2,3020.67 2486.22,3020.67 2486.22,2996.97 2533.92,2949.28 2533.46,2949.28 C90751.2@2533.46,2948.82 ; v1(2527.56,3187.01) U90104.22@2527.56,3223.43 ; U90104.21@2539.37,3336.61 2539.39,3384.84 v2(2540.35,3384.84) ; v1(2574.8,3187.01) U90104.18@2574.8,3223.43 ; v1(2610.24,3297.24) U90104.15@2610.24,3336.61 2610.24,3358.27 v2(2636.81,3384.84) ; v1(2613.19,3166.34) 2616.14,3157.48 2623.03,3156.5 2645.67,3179.13 U90104.12@2645.67,3223.43 ; 2642.71,3156.5 2683.07,3156.5 2716.54,3189.96 U90104.6@2716.54,3223.43 2716.54,3253.94 v1(2728.35,3265.75) ; U90104.9@2681.1,3336.61 2681.16,3336.61 2681.16,3384.84 v2(2685.04,3384.84)
  Top w11.81: U4301.18@1296.47,1459.01 1333.87,1459.01 1346.46,1446.43 v1(1346.46,1401.57) ; v1(1543.31,1000) 1543.31,1007.03 1552.38,1016.1 U4301.63@1589.78,1016.1 1627.17,1016.1 1636.81,1006.47 v1(1636.81,1000) 1637.8,999.02 1637.8,966.54 1628.31,957.05 U4301.69@1589.78,957.05 1547.24,957.05 v1(1547.24,957.68) ; v1(1545.28,1134.84) 1545.28,1134.21 U4301.51@1589.78,1134.21 ; v1(1546.26,1566.93) 1546.26,1567.28 U4301.7@1589.78,1567.28 1633.86,1567.28 v1(1633.86,1566.93) ; v1(1547.24,1075.79) 1547.24,1075.16 U4301.57@1589.78,1075.16 1631.89,1075.16 v1(1631.89,1074.8) ; v1(1547.24,1626.97) 1547.24,1626.34 U4301.1@1589.78,1626.34 1631.89,1626.34 v1(1631.89,1625.98) ; v1(1548.23,898.62) 1548.23,897.99 U4301.75@1589.78,897.99 1671.61,897.99 v1(1673.23,899.61) ; v1(1548.23,1193.9) 1548.23,1193.27 U4301.45@1589.78,1193.27 ; v1(1548.23,1312.01) 1548.23,1311.38 U4301.33@1589.78,1311.38 1631.89,1311.38 v1(1631.89,1312.01) ; U4301.39@1589.78,1252.32 1548.23,1252.32 v1(1548.23,1252.95) 1542.35,1252.95 1511.81,1283.49 1511.81,1329.7 1564.99,1382.87 1850.14,1382.87 2016.48,1549.21 2367.57,1549.21 2891.73,2073.37 2915.35,2096.99 v1(2915.35,2101.38) 2962.06,2148.08 2962.06,2151.03 2999.02,2187.99
  Top w13.78: v1(732.28,438.98) 739.17,445.87 739.17,565.94 741.14,567.91
  Top w15.75: v1(2008.86,2626.97) 2025.59,2610.24 2779.53,2610.24 2846.46,2677.17 2877.59,2677.17 ; 2992.16,2741.14 3035.47,2697.83 v1(3036.42,2697.83)
  Top w16.54: J7.15@70.87,3192.91 70.87,2830.35 344.13,2557.09 1587.01,2557.09 1920.28,2223.82 2444.29,2223.82 2444.88,2224.41 2969.17,2224.41 2989.17,2204.41 2989.17,2197.83 2999.02,2187.99 ; J7.6@425.2,3192.91 426.12,3192.91 426.12,3168.86 184.45,2927.19 184.45,2850.85 382.74,2652.56 1629.33,2652.56 1916.34,2365.55 3032.87,2365.55 3034.45,2367.13 ; 741.14,567.91 741.14,635.83 842.52,737.2 1672.74,737.2 2302.66,1367.13 2685.64,1367.13 3350.39,2031.88 3350.39,2926.54 3304.49,2972.44 2967.52,2972.44 2943.5,2948.43 2943.5,2789.8 2992.16,2741.14 ; J6.15@1507.87,3192.91 1507.87,2981.14 1970.31,2518.7 2851.87,2518.7 2878.44,2545.28 2994.09,2545.28 ; 2363.19,1245.08 2732.05,1245.08 3471.46,1984.48 3471.46,2985.24 3363.78,3092.91 2918.34,3092.91 2824.41,2998.98 2824.41,2730.35 2877.59,2677.17 2909.76,2645 ; 2473.47,1014.89 2476.94,1011.42 2640.41,1011.42 3007.93,1378.94 U33.202@3147.24,1378.94 ; U33.203@3146.46,3266.73 U33.203@3189.96,3266.73 ; v1(3949.8,3148.62) v1(3949.8,2949.8) v1(3949.8,2676.18) v1(3949.8,2369.09) 3949.8,2255.12 3950.39,2254.53 v1(3950.39,2140.55) 3950.39,2112.4 3949.8,2111.81 v1(3949.8,2083.66) 3949.8,2057.56 3950.39,2056.97 v1(3950.39,2011.02) v1(3950.39,1915.75) 3950.39,1381 4219.09,1112.3 v1@4219.09,457.68 ; v1(4138.78,3150.59) v1(4138.78,2948.82) v1(4138.78,2676.18) v1(4138.78,2366.14) v1(4138.78,2079.72) v1(4138.78,1810.04) 4138.78,1630.91 4139.76,1629.92 v1(4139.76,1450.79) 4139.76,1367.81 4338.09,1169.49 4338.09,517.22 4423.23,432.09
  Power w3.94: v1(-23.62,2093.5) 63.02,2006.86 63.02,1790.38 49.21,1776.57 v1(-17.72,1776.57) ; v1(2511.81,3024.61) 2547.24,2989.17 2728.35,2989.17 2832.68,2884.84 3055.12,2884.84 v1(3062.01,2891.73) ; v1(3349.41,2917.32) 3325.79,2893.7 3151.57,2893.7 v1(3148.62,2896.65) ; v1(4108.27,155.51) 4127.95,175.2 4163.19,175.2 4173.23,165.16 4173.23,153.74 4155.31,135.83 v1(4109.25,135.83) ; 4215.29,149.08 4210.63,153.74 4210.63,166.34 4220.47,176.18 4253.94,176.18 4256.89,173.23 ; 4215.34,149.08 4225.39,139.02 4225.39,71.85 4214.57,61.02 4214.57,45.47 4225.59,34.45 4238.19,34.45 4246.06,42.32 4246.06,162.4 4256.89,173.23 ; v1(4349.41,69.88) 4349.41,61.22 4325.59,37.4 4294.49,37.4 4286.42,45.47 4286.42,56.89 4321.06,91.54 v1(4350.39,91.54) ; v1(4360.24,142.72) 4329.72,173.23 4256.89,173.23 ; v1(3062.01,2891.73) 3103.35,2933.07 3122.83,2933.07 3140.71,2915.19 3140.71,2904.56 v1(3148.62,2896.65) ; v1(3062.01,2891.73) 3062.01,2887.8 3139.76,2887.8 v1(3148.62,2896.65)
  Bottom w3.94: v1(-23.62,2093.5) 63.02,2006.86 63.02,1835.66 3.94,1776.57 v1(-17.72,1776.57) ; v1(464.57,366.14) 451.97,366.14 420.28,397.84 420.28,409.25 433.27,422.24 530.51,422.24 v1(554.13,398.62) ; v1(569.88,2941.93) 532.48,2904.53 ; v1(855.31,2990.16) 878.94,3013.78 1908.46,3013.78 v1(1977.36,3082.68) ; v1(1000,2843.5) 1014.12,2857.62 1093.84,2857.62 1109.25,2842.21 1109.25,2719.8 975.39,2585.94 975.39,2477.36 978.35,2474.41 v1(978.35,2464.57) 990.16,2452.76 1005.71,2452.76 1018.7,2465.75 1018.7,2568.84 1167.38,2717.52 v1(1221.46,2717.52) ; v1(1301.18,2224.41) 1411.02,2114.57 1872.21,2114.57 1891.3,2095.47 v1(1907.48,2095.47) ; 1863.19,3264.32 1866.14,3259.84 ; v1(2456.69,3165.35) 2506.52,3165.35 2527.56,3186.39 v1(2527.56,3187.01) ; v1(2488.19,3026.57) 2497.05,3017.72 2708.66,3017.72 2841.54,2884.84 3298.03,2884.84 3314.96,2901.77 3314.96,2913.19 3211.42,3016.73 2944.21,3016.73 2724.41,3236.53 2724.41,3300.98 2710.43,3314.96 2680.12,3314.96 2678.15,3312.99 ; v1@2531.5,3187.01 2531.5,3287.2 2551.38,3307.09 2568.7,3307.09 2571.85,3303.94 ; v1@2571.85,3264.32 2571.85,3303.94 ; v1(2574.8,3259.84) 2574.8,3242.13 2557.09,3224.41 2557.09,3158.16 2529.53,3130.6 2529.53,3080.71 2560.04,3050.2 2775.4,3050.2 2905.32,2920.28 2990.16,2920.28 v1(3006.89,2903.54) ; v1(2610.24,3297.24) 2594.49,3312.99 2580.91,3312.99 2571.85,3303.94 ; 2684.84,3312.99 2678.15,3312.99 ; v1(2850.39,2651.57) 2850.39,2633.76 2844.49,2627.85 2844.49,2608.47 2852.56,2600.39 2873.03,2600.39 ; 2940.94,2441.97 2935.04,2447.88 2935.04,2482.28 2954.72,2501.97 2995.75,2501.97 3008.86,2488.86 ; v1(2942.91,2607.28) 2937.99,2612.2 2898.62,2612.2 2886.81,2600.39 2873.03,2600.39 ; v1(3110.24,2082.68) 3102.36,2074.8 3102.36,2050.39 3179.15,1973.61 v1(3182.48,1976.94) ; v1(3113.19,2370.08) 3113.19,2384.53 3008.86,2488.86 ; 3116.14,2887.8 3131.69,2887.8 3139.76,2895.87 3139.76,2916.34 3112.2,2943.9 2915.1,2943.9 2785.18,3073.82 2574.44,3073.82 2565.94,3082.31 2565.94,3133.61 2607.28,3174.95 2607.28,3296.06 2625.2,3313.98 2636.61,3313.98 2644.69,3305.9 2644.69,3304.92 ; v1(3131.89,2563.98) 3170.28,2525.59 3220.33,2525.59 v1(3229.33,2520.67) ; 3140.75,2506.89 3079.72,2567.91 2894.88,2567.91 2873.03,2589.76 2873.03,2600.39 ; v1(3142.72,2288.39) 3115.16,2315.94 v1(3114.17,2315.94) 3114.17,2322.64 3010.63,2426.18 v1(2993.11,2426.18) 3000.98,2434.06 3000.98,2480.99 3008.86,2488.86 ; v1(3143.7,2341.54) 3168.31,2316.93 3207.68,2316.93 3237.2,2287.4 v1(3237.2,2286.42) ; 3146.65,2180.12 3182.09,2144.68 3224.41,2144.68 v1(3229.33,2139.76) ; v1(3146.65,2476.38) 3149.61,2473.43 v1(3229.33,2473.43) ; v1(3213.58,2085.63) 3189.96,2062.01 3189.96,2013.09 3196.54,2006.51 3642.34,2006.51 v1(3669.29,2033.46) ; 3258.86,2254.92 3258.86,2258.86 3262.8,2262.8 v1(3262.8,2276.57) ; v1(3684.06,3239.17) 3710.63,3212.6 3779.31,3212.6 3924.98,3066.93 4159.01,3066.93 4181.65,3044.29 4243.08,3044.29 4262.77,3063.98 4290.35,3063.98 v1(4292.32,3062.01) ; v1(3770.73,1609.63) 3770.02,1608.92 3782.48,1596.46 v1(3884.84,1596.46) 4226.95,1596.46 4431.68,1801.18 v1(4448.82,1801.18) 4448.82,1812.6 4457.68,1821.46 4457.68,1836.42 4430.45,1863.65 4423.76,1863.65 v1(4411.42,1875.98) ; v1(3823.82,3320.87) 3813.98,3330.71 3802.17,3330.71 ; v1(3825.79,3255.91) 3849.04,3255.91 3959.28,3145.67 4197.83,3145.67 4206.69,3154.53 v1(4210.63,3154.53) 4222.44,3142.72 ; v1(3863.37,1744.28) 3861.22,1744.09 4187.99,1744.09 4332.87,1888.98 4373.23,1888.98 4386.22,1875.98 ; 4125.98,153.74 4134.06,145.67 4165.16,145.67 4173.23,153.74 4173.23,207.68 4189.96,224.41 v1@4218.5,224.41 ; 4163.39,269.68 4354.33,269.68 4393.7,230.31 v1(4393.7,201.77) 4379.92,187.99 4348.43,187.99 ; v1(4203.74,1518.7) 4238.19,1518.7 4401.57,1682.09 v1(4414.37,1682.09) ; v1(4383.86,2570.87) 4348.43,2570.87 ; v1(4487.2,2554.13) 4640.16,2554.13 4661.61,2532.68 4641.73,2512.8 ; v1(4558.07,702.76) 4572.83,687.99 4595.47,687.99 4618.11,710.63 ; 532.48,2904.53 484.45,2904.53 134.84,2554.92 134.84,1607.28 689.96,1052.17 v1(873.03,1052.17) 903.54,1021.65 973.23,1021.65 981.3,1029.73 981.3,1041.14 907.28,1115.16 650.59,1115.16 150.59,1615.16 150.59,2532.79 413.08,2795.28 423.23,2795.28 532.48,2904.53 ; 2644.69,3304.92 2652.76,3312.99 2662.4,3312.99 ; 2644.69,3304.92 2644.69,3247.72 2657.48,3234.93 2657.48,3122.05 2682.09,3097.44 2794.97,3097.44 2924.89,2967.52 3149.61,2967.52 3216.54,2900.59 3260.83,2900.59 v1(3260.83,2905.51) 3260.83,2916.34 3186.02,2991.14 2936.02,2991.14 2806.1,3121.06 2740.16,3121.06 2681.1,3180.12 2681.1,3294.29 2662.4,3312.99 ; 2662.4,3312.99 2678.15,3312.99 ; 3785.43,3313.98 3802.17,3330.71 ; 3785.43,3313.98 3752.17,3313.98 3731.3,3293.11 3731.3,3248.03 3741.14,3238.19 3788.81,3238.19 3936.45,3090.55 4169.04,3090.55 4191.68,3067.91 4230.12,3067.91 4257.68,3095.47 ; 3785.43,3313.98 3764.76,3293.31 3764.76,3262.99 3773.82,3253.94 3795.33,3253.94 3942.97,3106.3 4175.56,3106.3 4186.39,3095.47 4257.68,3095.47 ; 3802.17,3330.71 3802.17,3280.51 3952.76,3129.92 4190.94,3129.92 4201.77,3119.09 4213.58,3119.09 4222.44,3127.95 4222.44,3142.72 ; v1@4218.5,224.41 4210.63,216.54 4210.63,153.54 4220.47,143.7 4220.47,65.94 4214.57,60.04 4214.57,45.47 4222.64,37.4 4234.05,37.4 4242.13,45.47 4242.13,161.42 4219.49,184.06 v1@4219.49,224.41 ; v1@4218.5,224.41 v1(4219.49,225.39) v1@4219.49,224.41 ; v1@4219.49,224.41 4223.43,228.35 4250,228.35 ; 4222.44,3142.72 4242.91,3142.72 4266.73,3118.9 4266.73,3104.53 4257.68,3095.47 ; 4250,228.35 4229.33,207.68 4229.33,196.06 4244.29,181.1 4285.12,181.1 4306.1,160.12 4306.1,77.76 4286.42,58.07 4286.42,45.47 4294.49,37.4 4325.59,37.4 4333.66,45.47 4333.66,60.04 4329.72,63.98 4329.72,181.1 4336.61,187.99 4348.43,187.99 ; 4250,228.35 4308.07,228.35 4348.43,187.99 ; 4348.43,2570.87 4124.02,2570.87 4093.5,2601.38 3470.78,2601.38 3305.43,2766.73 2854.33,2766.73 2650.59,2970.47 1057.76,2970.47 1021.34,2934.06 989.37,2934.06 981.3,2942.13 981.3,2953.54 1013.98,2986.22 2657.48,2986.22 2861.22,2782.48 3319.21,2782.48 3465.86,2635.83 4283.46,2635.83 4348.43,2570.87 ; 4386.22,1875.98 v1(4411.42,1875.98) ; 4386.22,1875.98 4372.05,1861.81 4372.05,1851.07 4221.77,1700.79 v1(3886.81,1700.79) 3886.81,1700 3883.66,1696.85 3869.29,1696.85 3859.25,1686.81 3859.25,1656.69 3869.75,1646.2 3881.36,1646.2 v1(3886.81,1640.75) 3886.81,1637.8 4214.57,1637.8 v1(4382.87,1806.1) 4392.75,1815.98 4396.49,1815.98 4411.42,1830.91 v1(4411.42,1875.98) ; 5175.39,818.9 5186.81,818.9 5194.88,810.83 5194.88,720.47 ; 5175.39,818.9 5175.39,836.61 5207.88,869.09 5219.29,869.09 5227.36,861.02 5227.36,726.58 5219.29,718.5 5196.85,718.5 5194.88,720.47 ; 5175.39,818.9 5162.4,805.9 v1(5162.4,794.29) 5162.4,585.63 5170.28,577.76 5187.01,577.76 5194.88,585.63 5194.88,720.47
  Bottom w4.72: 2865.16,2077.76 2890.26,2077.76 3648.72,1319.29 3659.06,1319.29 3668.31,1310.04 3699.18,1310.04 3709.06,1319.92 3709.06,1331.66 3673.59,1367.13 v1(3683.07,1364.17)
  Bottom w5.91: 2865.16,2077.76 2806.88,2077.76 2797.24,2087.39 2797.24,2102.76 2817.32,2122.83 2884.91,2122.83 2898.61,2109.14 2907.59,2109.14 v1(2915.35,2101.38) ; v1(2985.24,2180.12) 2985.24,2200.83 2967.56,2218.5 2953.7,2218.5 2938.98,2203.78 v1(2938.98,2186.02) ; v1@3041.34,2190.94 v1(3042.32,2191.93) ; 4255.81,1416.34 4230.31,1416.34 ; v1(2938.98,2186.02) 2904.32,2186.02 2892.72,2174.42 2892.72,2152.35 2910.22,2134.84 2938.43,2134.84 3215.99,1857.28 3327.32,1857.28 3530.51,1654.09 3530.51,1627.41 3744.53,1413.39 3782.48,1413.39 3820.87,1375 4235.24,1375 4239.17,1378.94 4239.17,1407.48 4230.31,1416.34 ; v1(2938.98,2186.02) 2938.98,2182.52 3228.78,1892.72 3371.05,1892.72 3847.43,1416.34 4230.31,1416.34
  Bottom w7.87: v1(4597.44,2459.65) 4645.92,2459.65 4653.8,2451.77 4693.53,2451.77 4702.76,2461 4702.76,2474.04 4683.93,2492.87 4674.45,2492.87 v1(4658.46,2508.86) ; 5131.89,818.9 5131.89,533.46 v1(5134.84,530.51)
  Bottom w9.84: v1(2184.06,312.01) 2184.06,571.85 2062.01,693.9 2062.01,809.06 2116.14,863.19 2627.95,863.19 v1(2738.19,752.95) ; 2788.39,2069.88 2820.87,2037.4 2891.18,2037.4 3591.54,1337.05 3591.54,1292.32 v1(3613.19,1284.45) ; v1@2798.23,2365.16 v1(2893.7,2365.16) ; v1(2817.91,2649.61) 2800.2,2631.89 2800.2,2591.49 2852.32,2539.37 3019.08,2539.37 3031.87,2534.45 3031.5,2533.46 v1(3040.35,2523.62) 3040.85,2524.11 3041.34,2523.62 3041.34,2494.64 3164.92,2371.06 3223.43,2371.06 v1(3256.89,2337.6) ; v1(2850.39,2651.57) 3181.1,2651.57 ; 2940.94,2441.97 2955.71,2427.21 2955.71,2371.06 3146.65,2180.12 ; v1(2942.91,2607.28) 3088.58,2607.28 v1(3131.89,2563.98)
  Bottom w11.81: v1(4558.07,702.76) 4541.87,702.76 4526.57,718.06 4526.57,825.25 4544.83,843.5 4637.71,843.5 4958.58,1164.37 5085.09,1164.37 5108.27,1141.2 5108.27,1089.12 5085.09,1065.94 4944.6,1065.94 4629.64,750.98 v1(4622.05,750.98)